# Altium PCB E17-06-PDU_E17-PDU-LAYOUT.PcbDoc (part 1 of 2)
Units mil, origin at the board's own origin, x right, y up, seen from the top; angles counter-clockwise.
Board outline 5658 x 3552 mil, 4 copper layers (Top Layer, Internal Layer 1, Internal Layer 2, Bottom Layer), stack 30.634 mil thick; 170 components, 148 nets, 619 pads, 224 vias.
Unrouted connection lines stored in the file: 6.
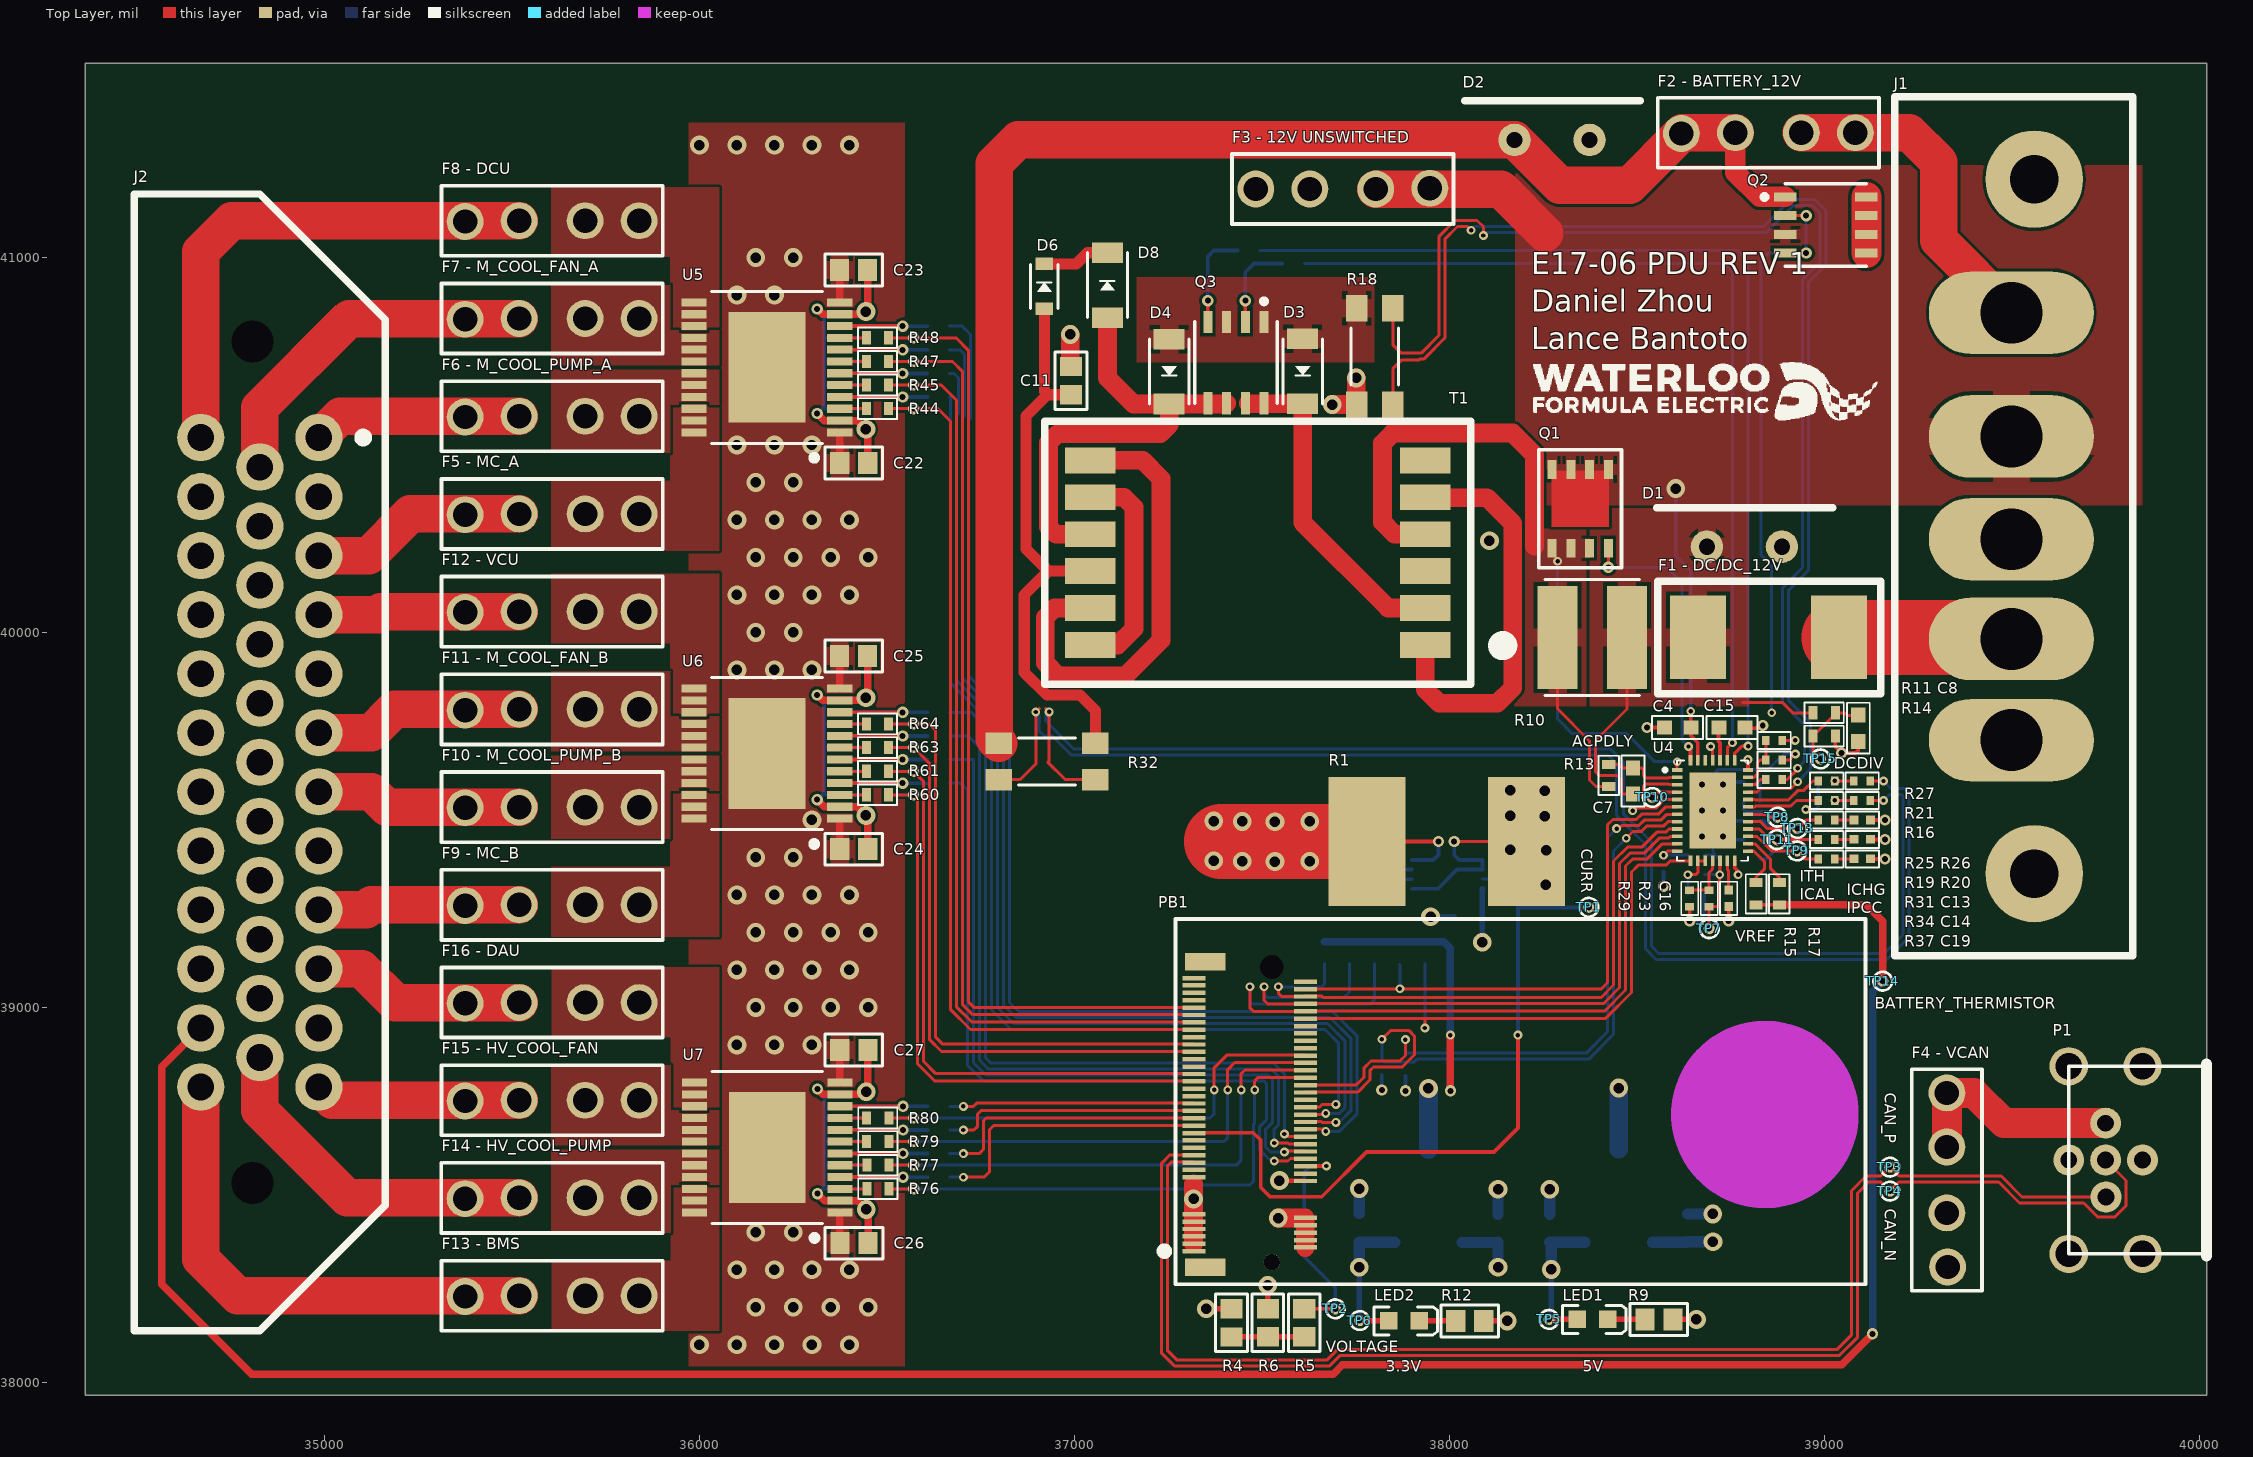
[diagram p0: Top Layer view]
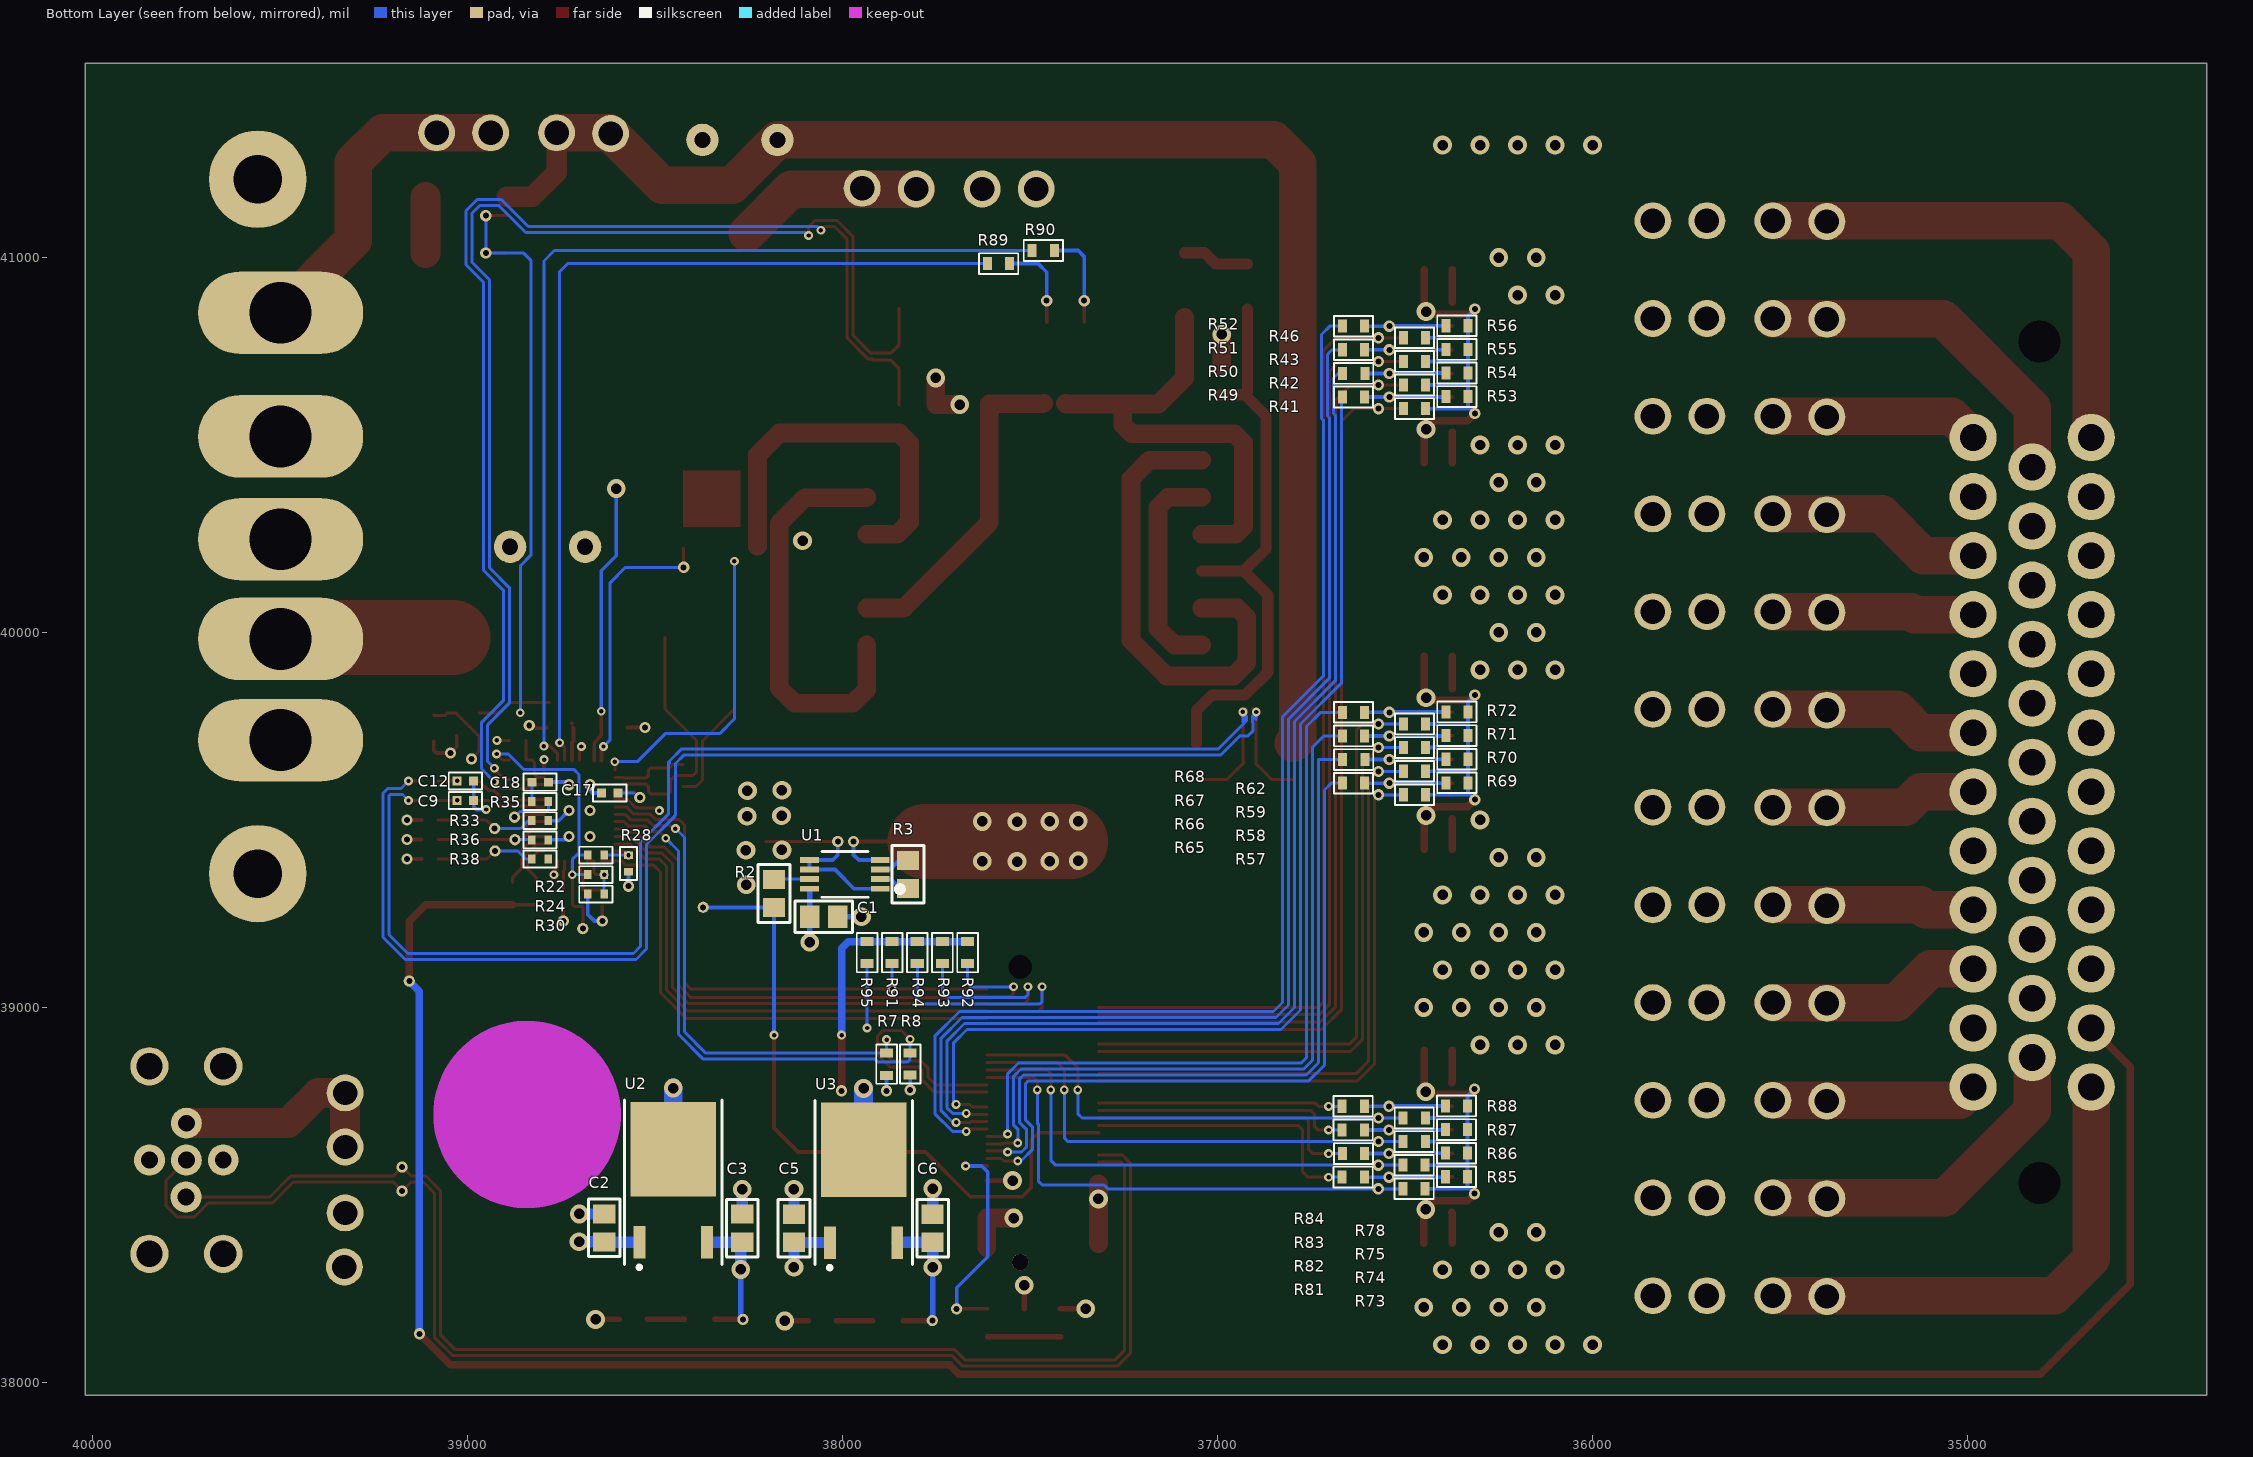
[diagram p1: Bottom Layer view, seen from below]
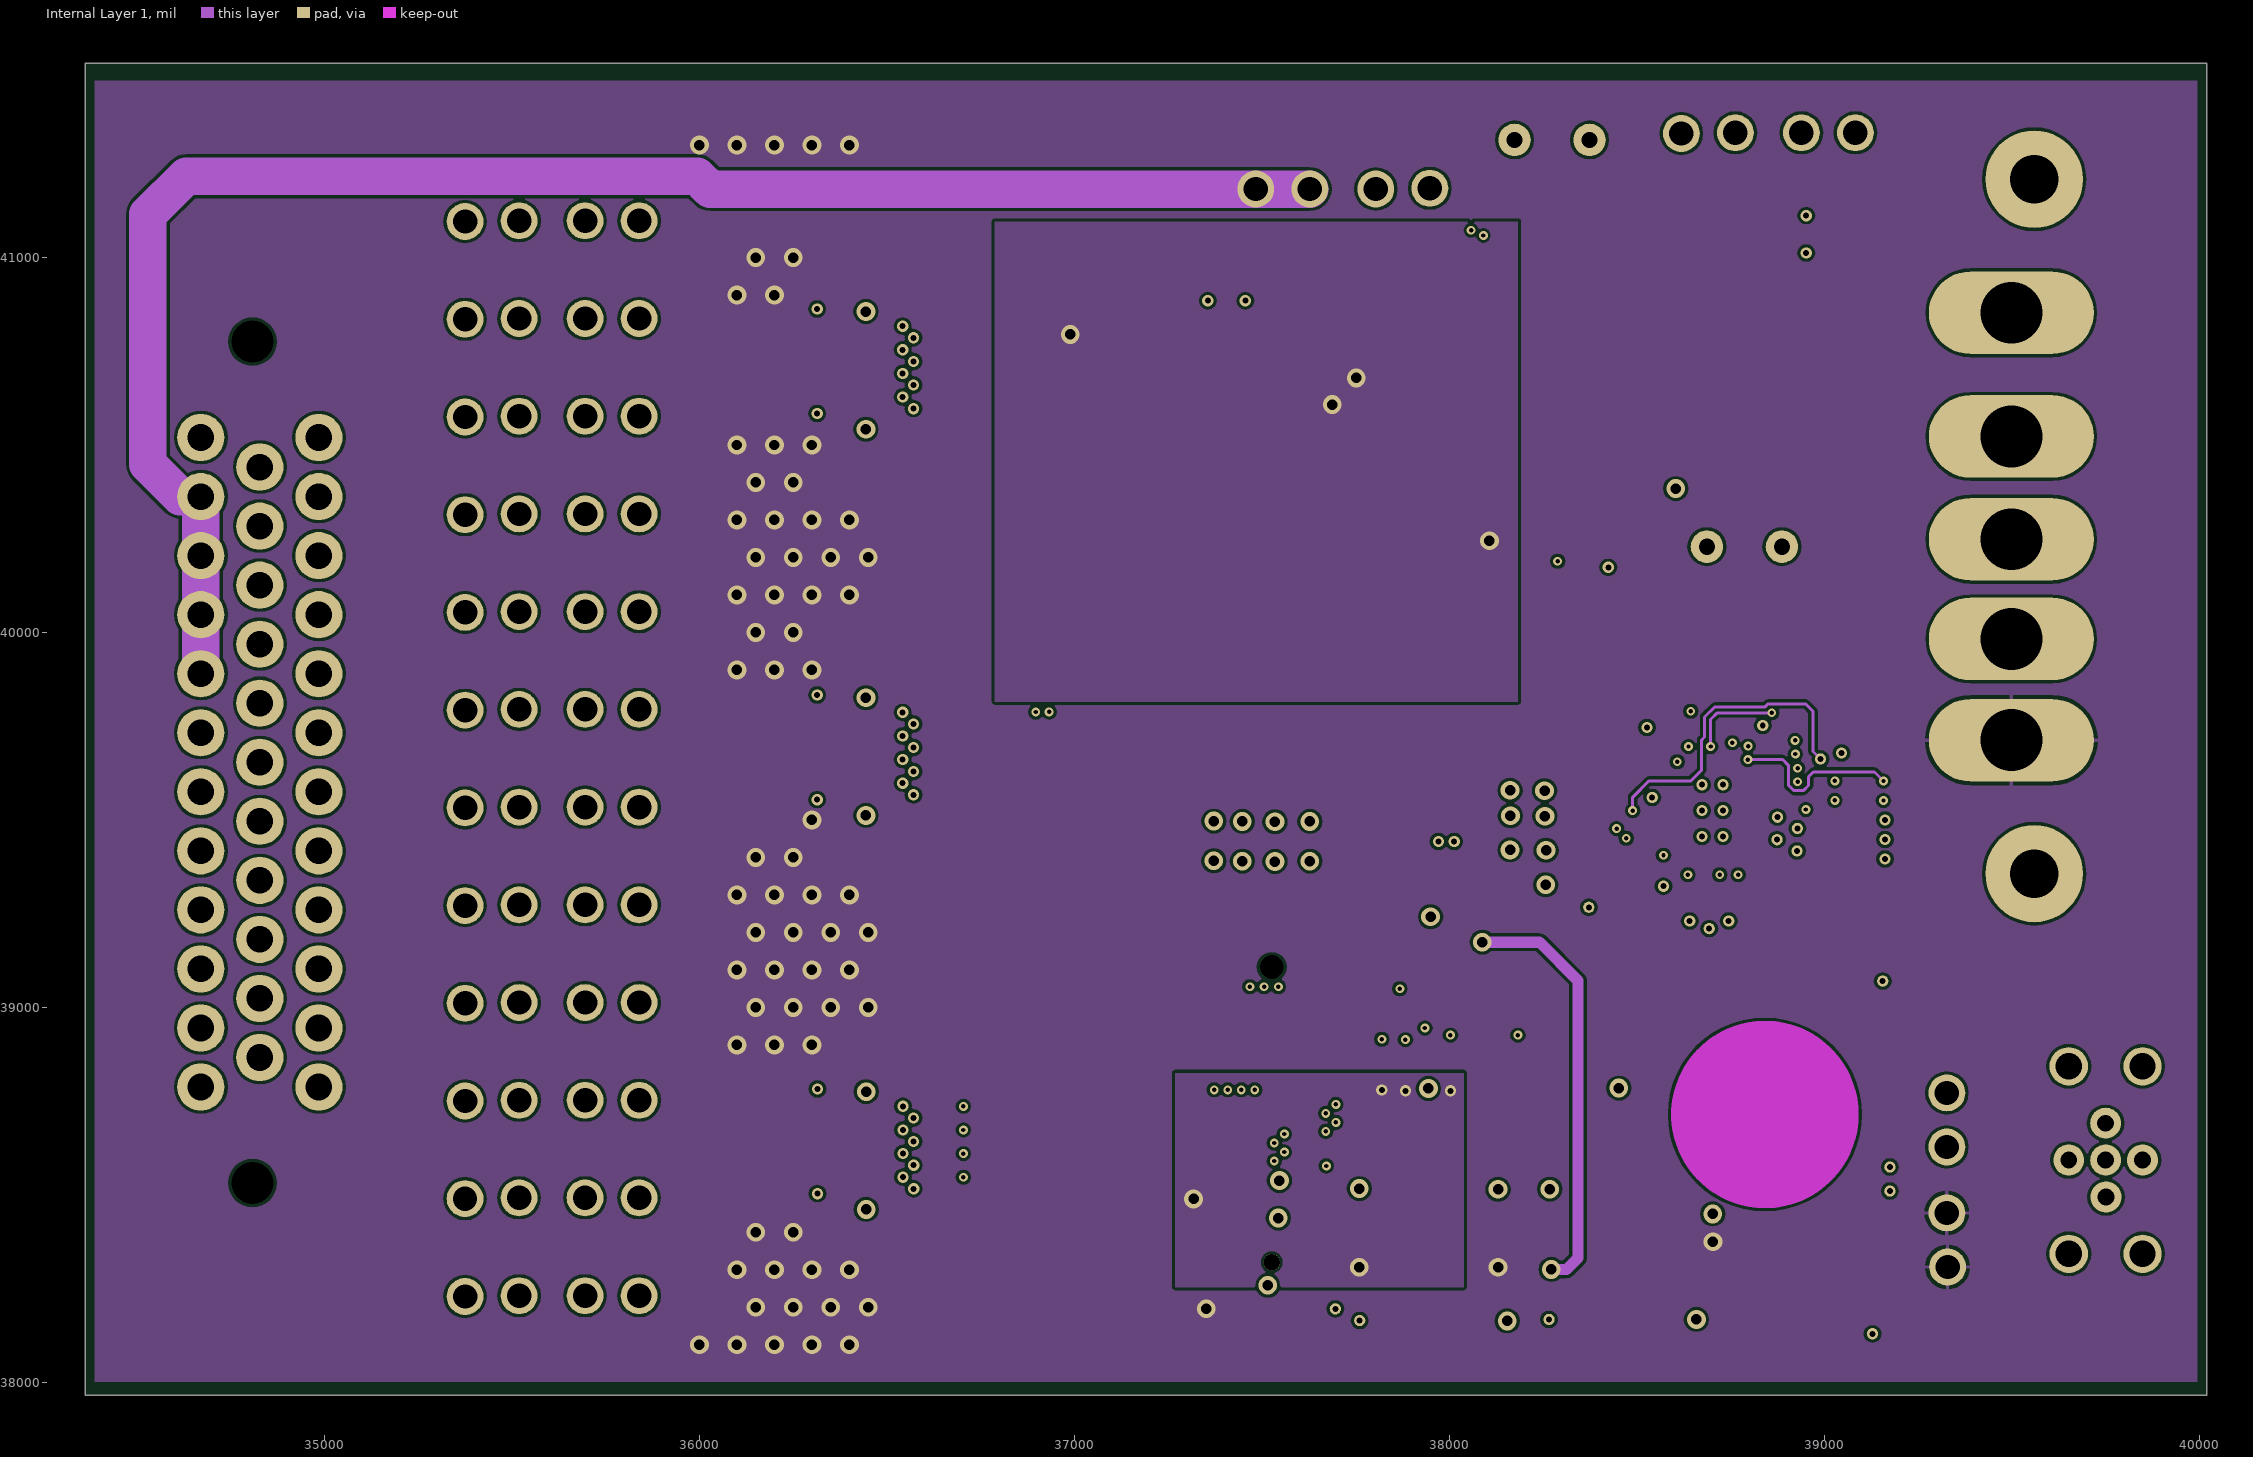
[diagram p2: Internal Layer 1]
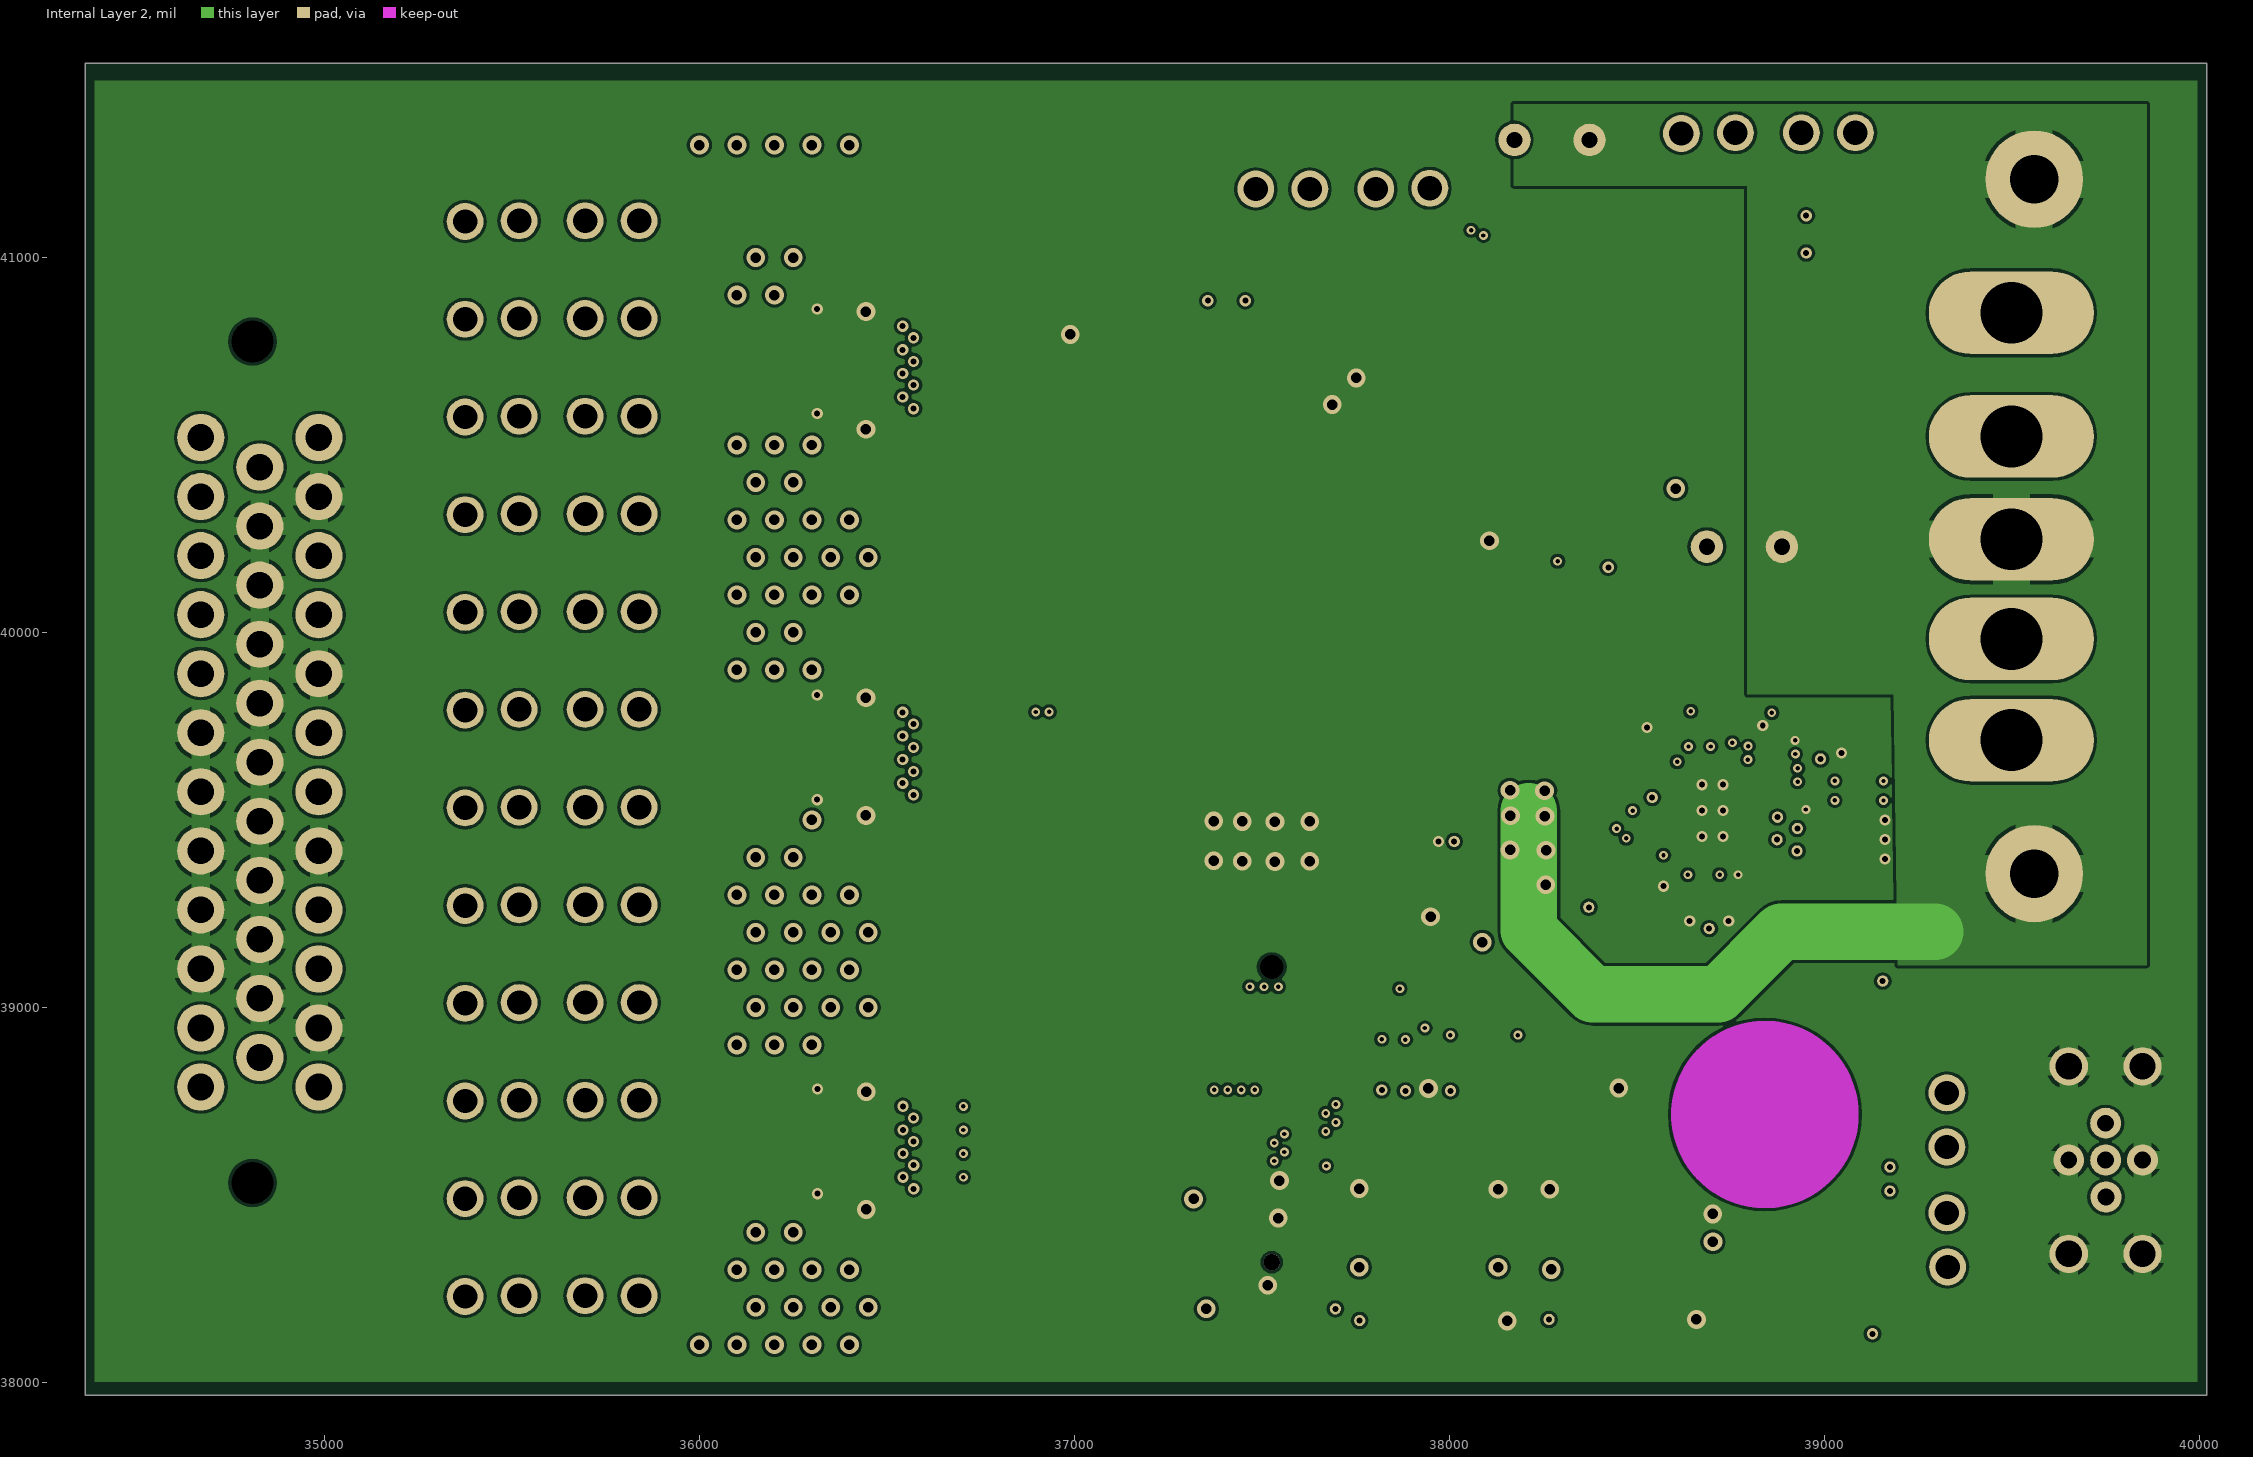
[diagram p3: Internal Layer 2]
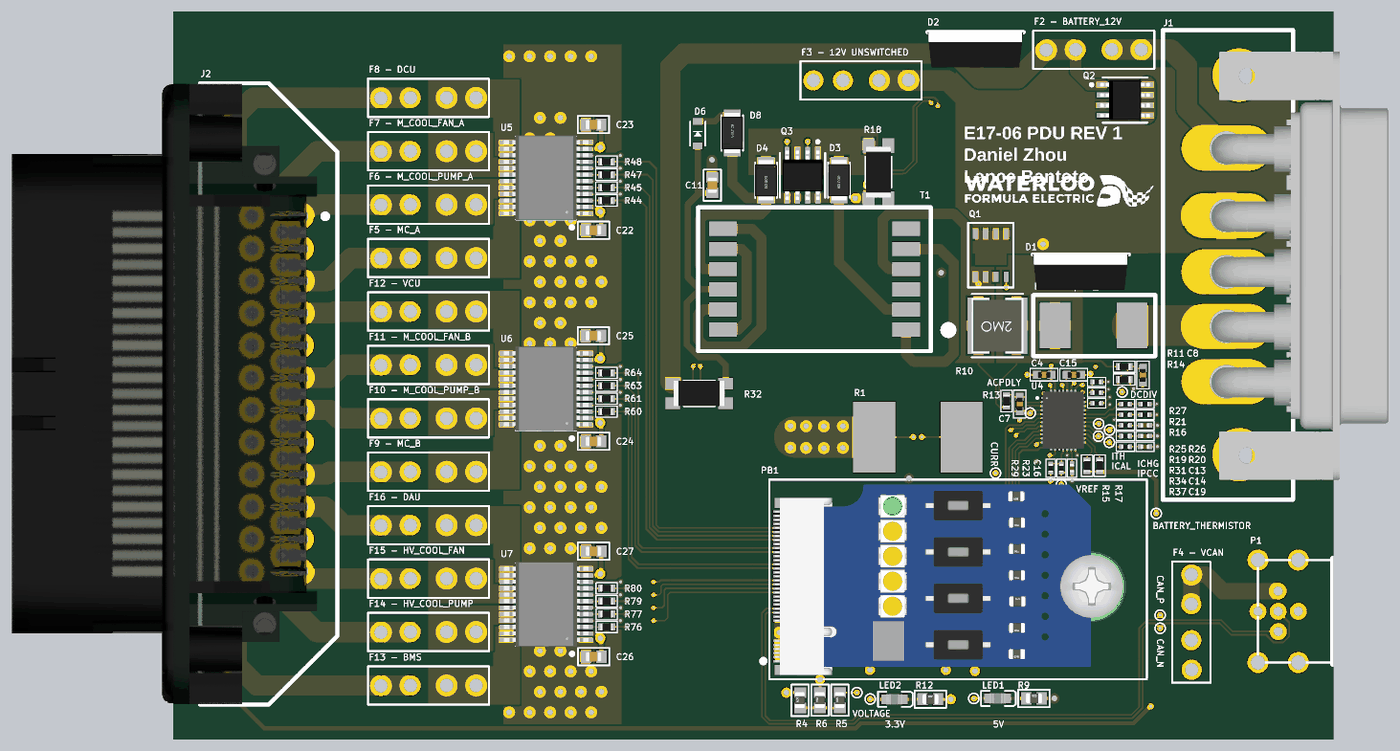
[diagram p5: 3D render of the assembled board from above, using the file's embedded part models]
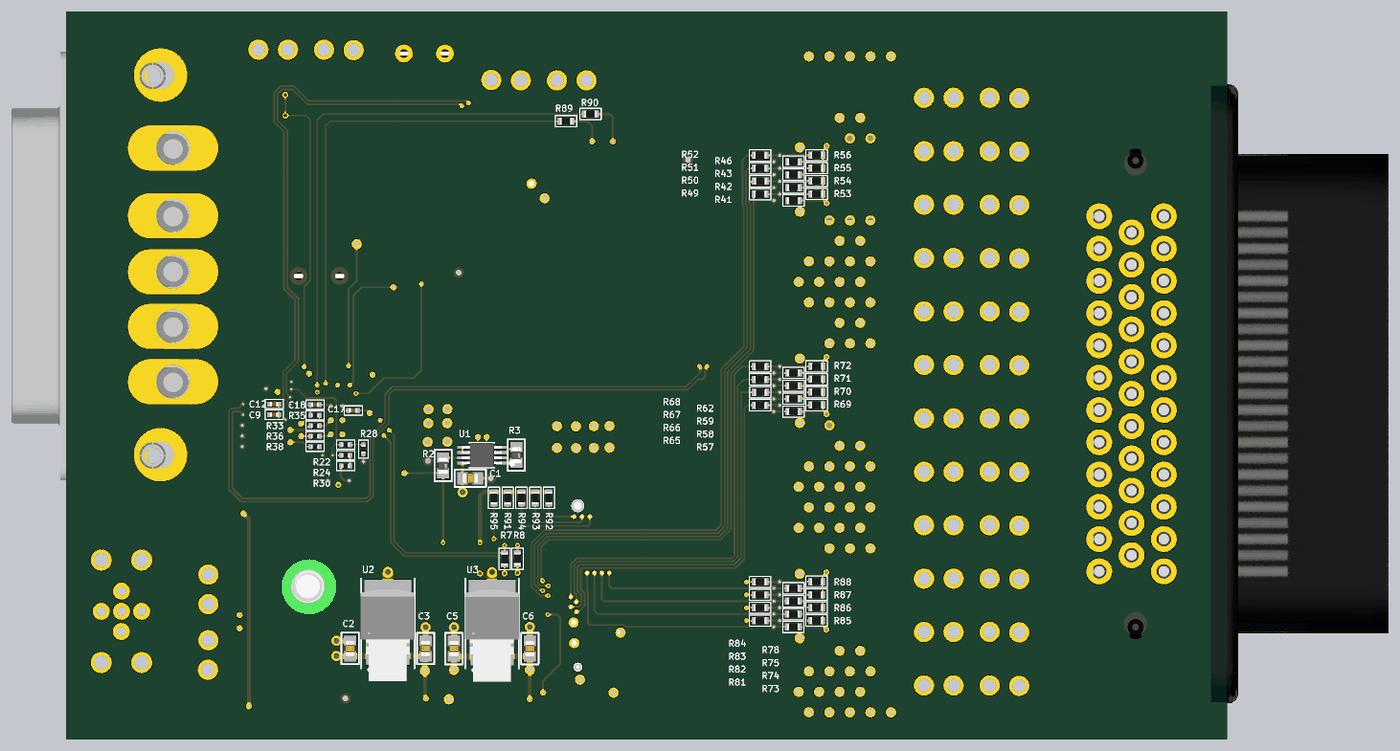
[diagram p6: 3D render of the assembled board from below, using the file's embedded part models]

## Layer stack, top to bottom
Top Solder: solder mask 0.4, Solder Resist, Dk 3.5
Top Layer: signal copper 1.4
Dielectric 1: core 10, FR-4, Dk 4.2
Internal Layer 1: signal copper 1.417
Dielectric 5: prepreg 5, Dk 4.2
Internal Layer 2: signal copper 1.417
Dielectric 3: core 10, Dk 4.2
Bottom Layer: signal copper 1.4
Bottom Solder: solder mask 0.4, Solder Resist, Dk 3.5

## Board outline
34362,37966 40020,37966 40020,41518 34362,41518
